# Altium PCB T1_Card.PcbDoc (part 1 of 6)
Units mil, origin at the board's own origin, x right, y up, seen from the top; angles counter-clockwise.
Board outline 3700.79 x 3582.68 mil, 6 copper layers (Layer 1, Layer 2, Layer 3, Layer 4, Layer 5, Layer 6), stack 65.8 mil thick; 365 components, 265 nets, 1177 pads, 1027 vias.
Unrouted connection lines stored in the file: 4.
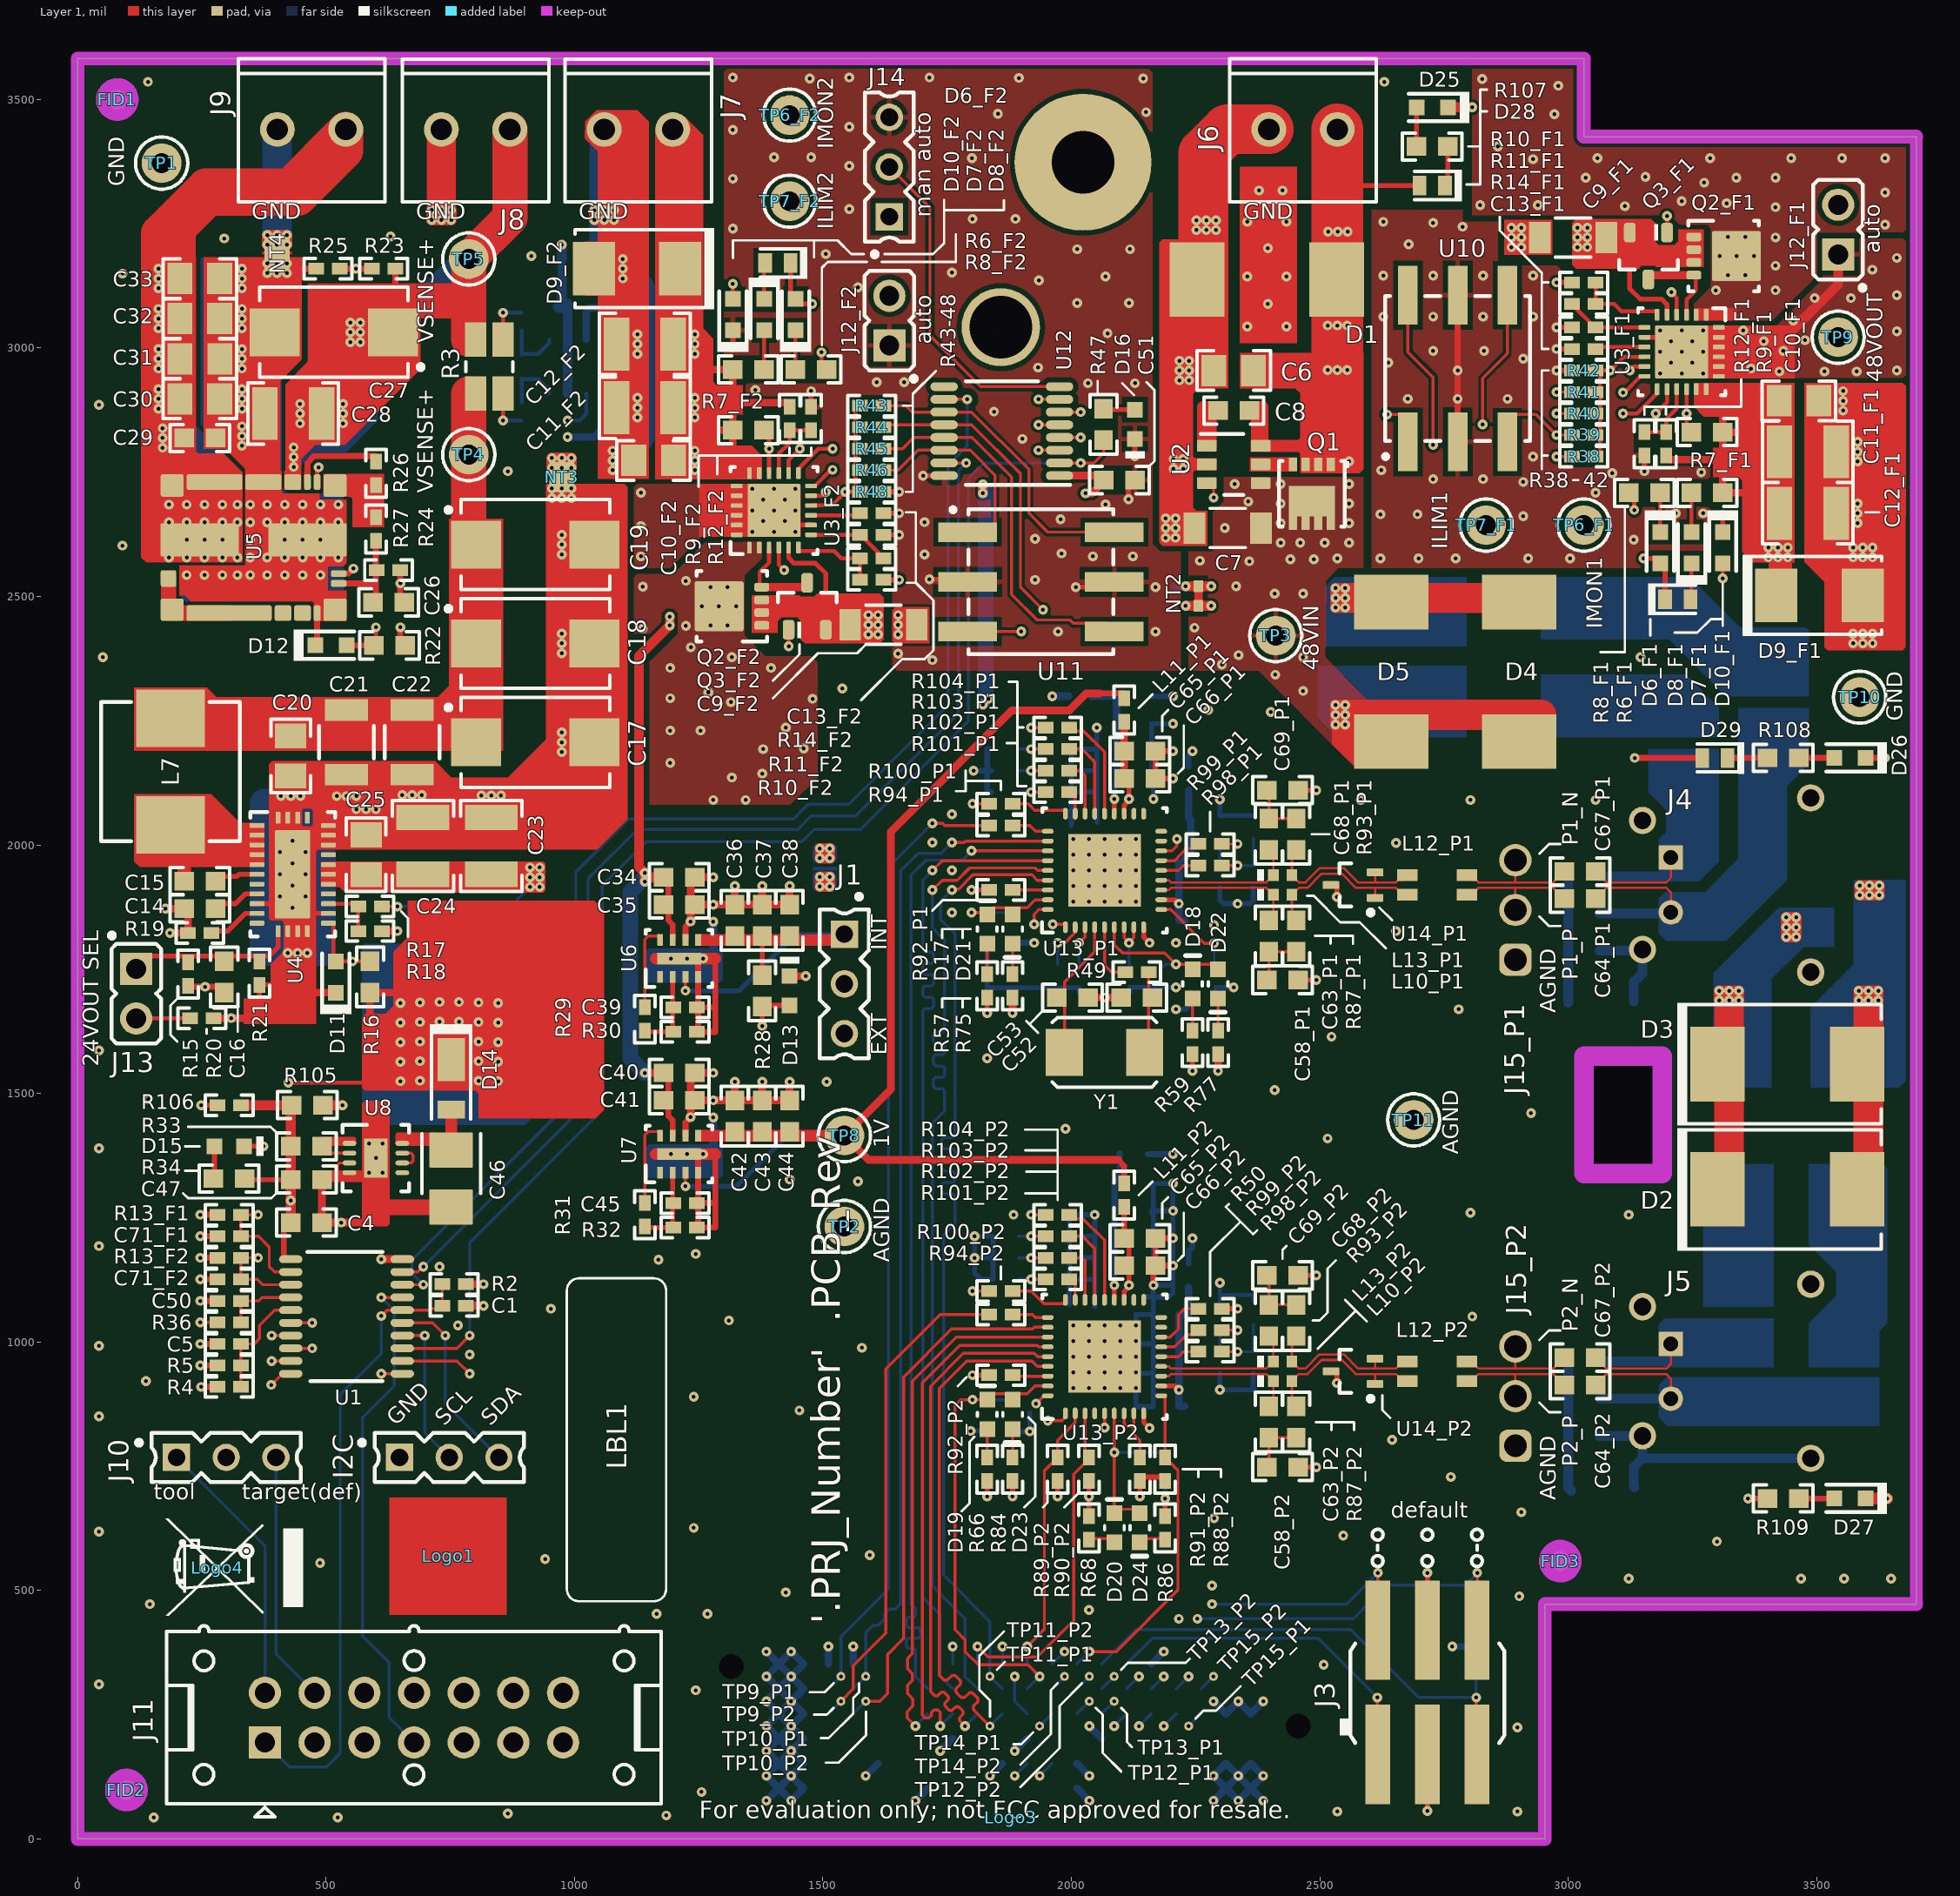
[diagram p0: Layer 1 view]
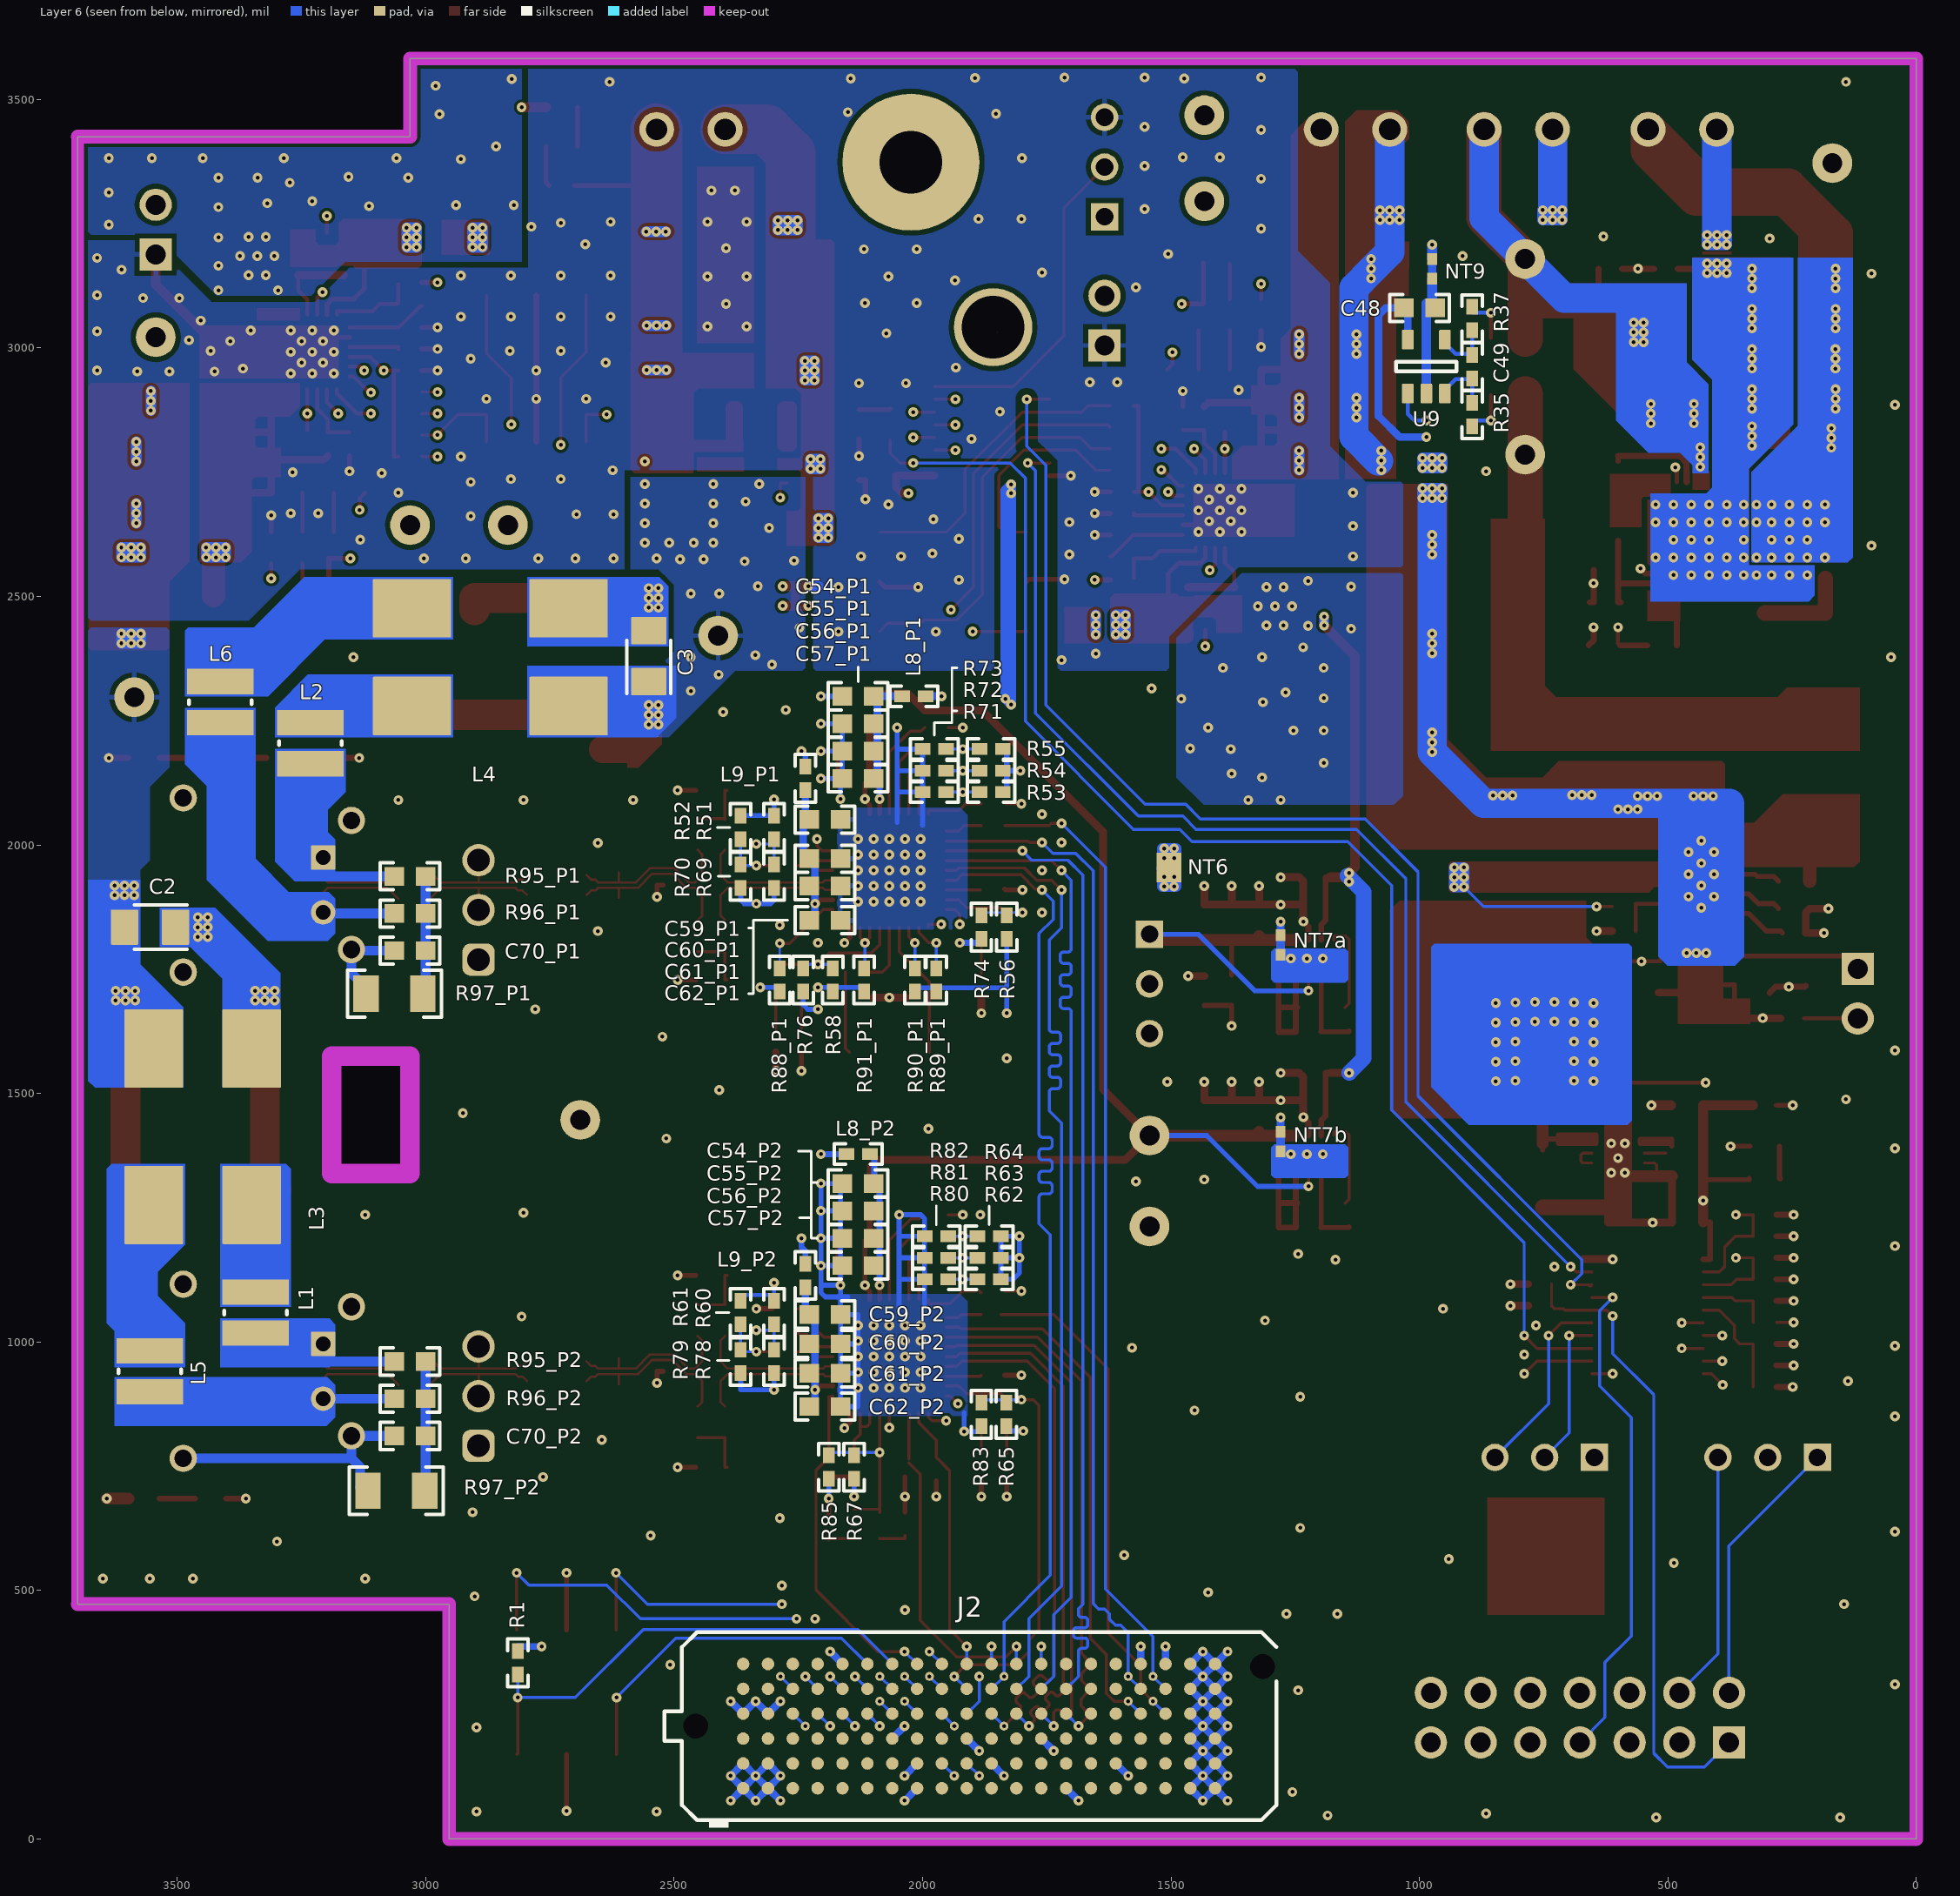
[diagram p1: Layer 6 view, seen from below]
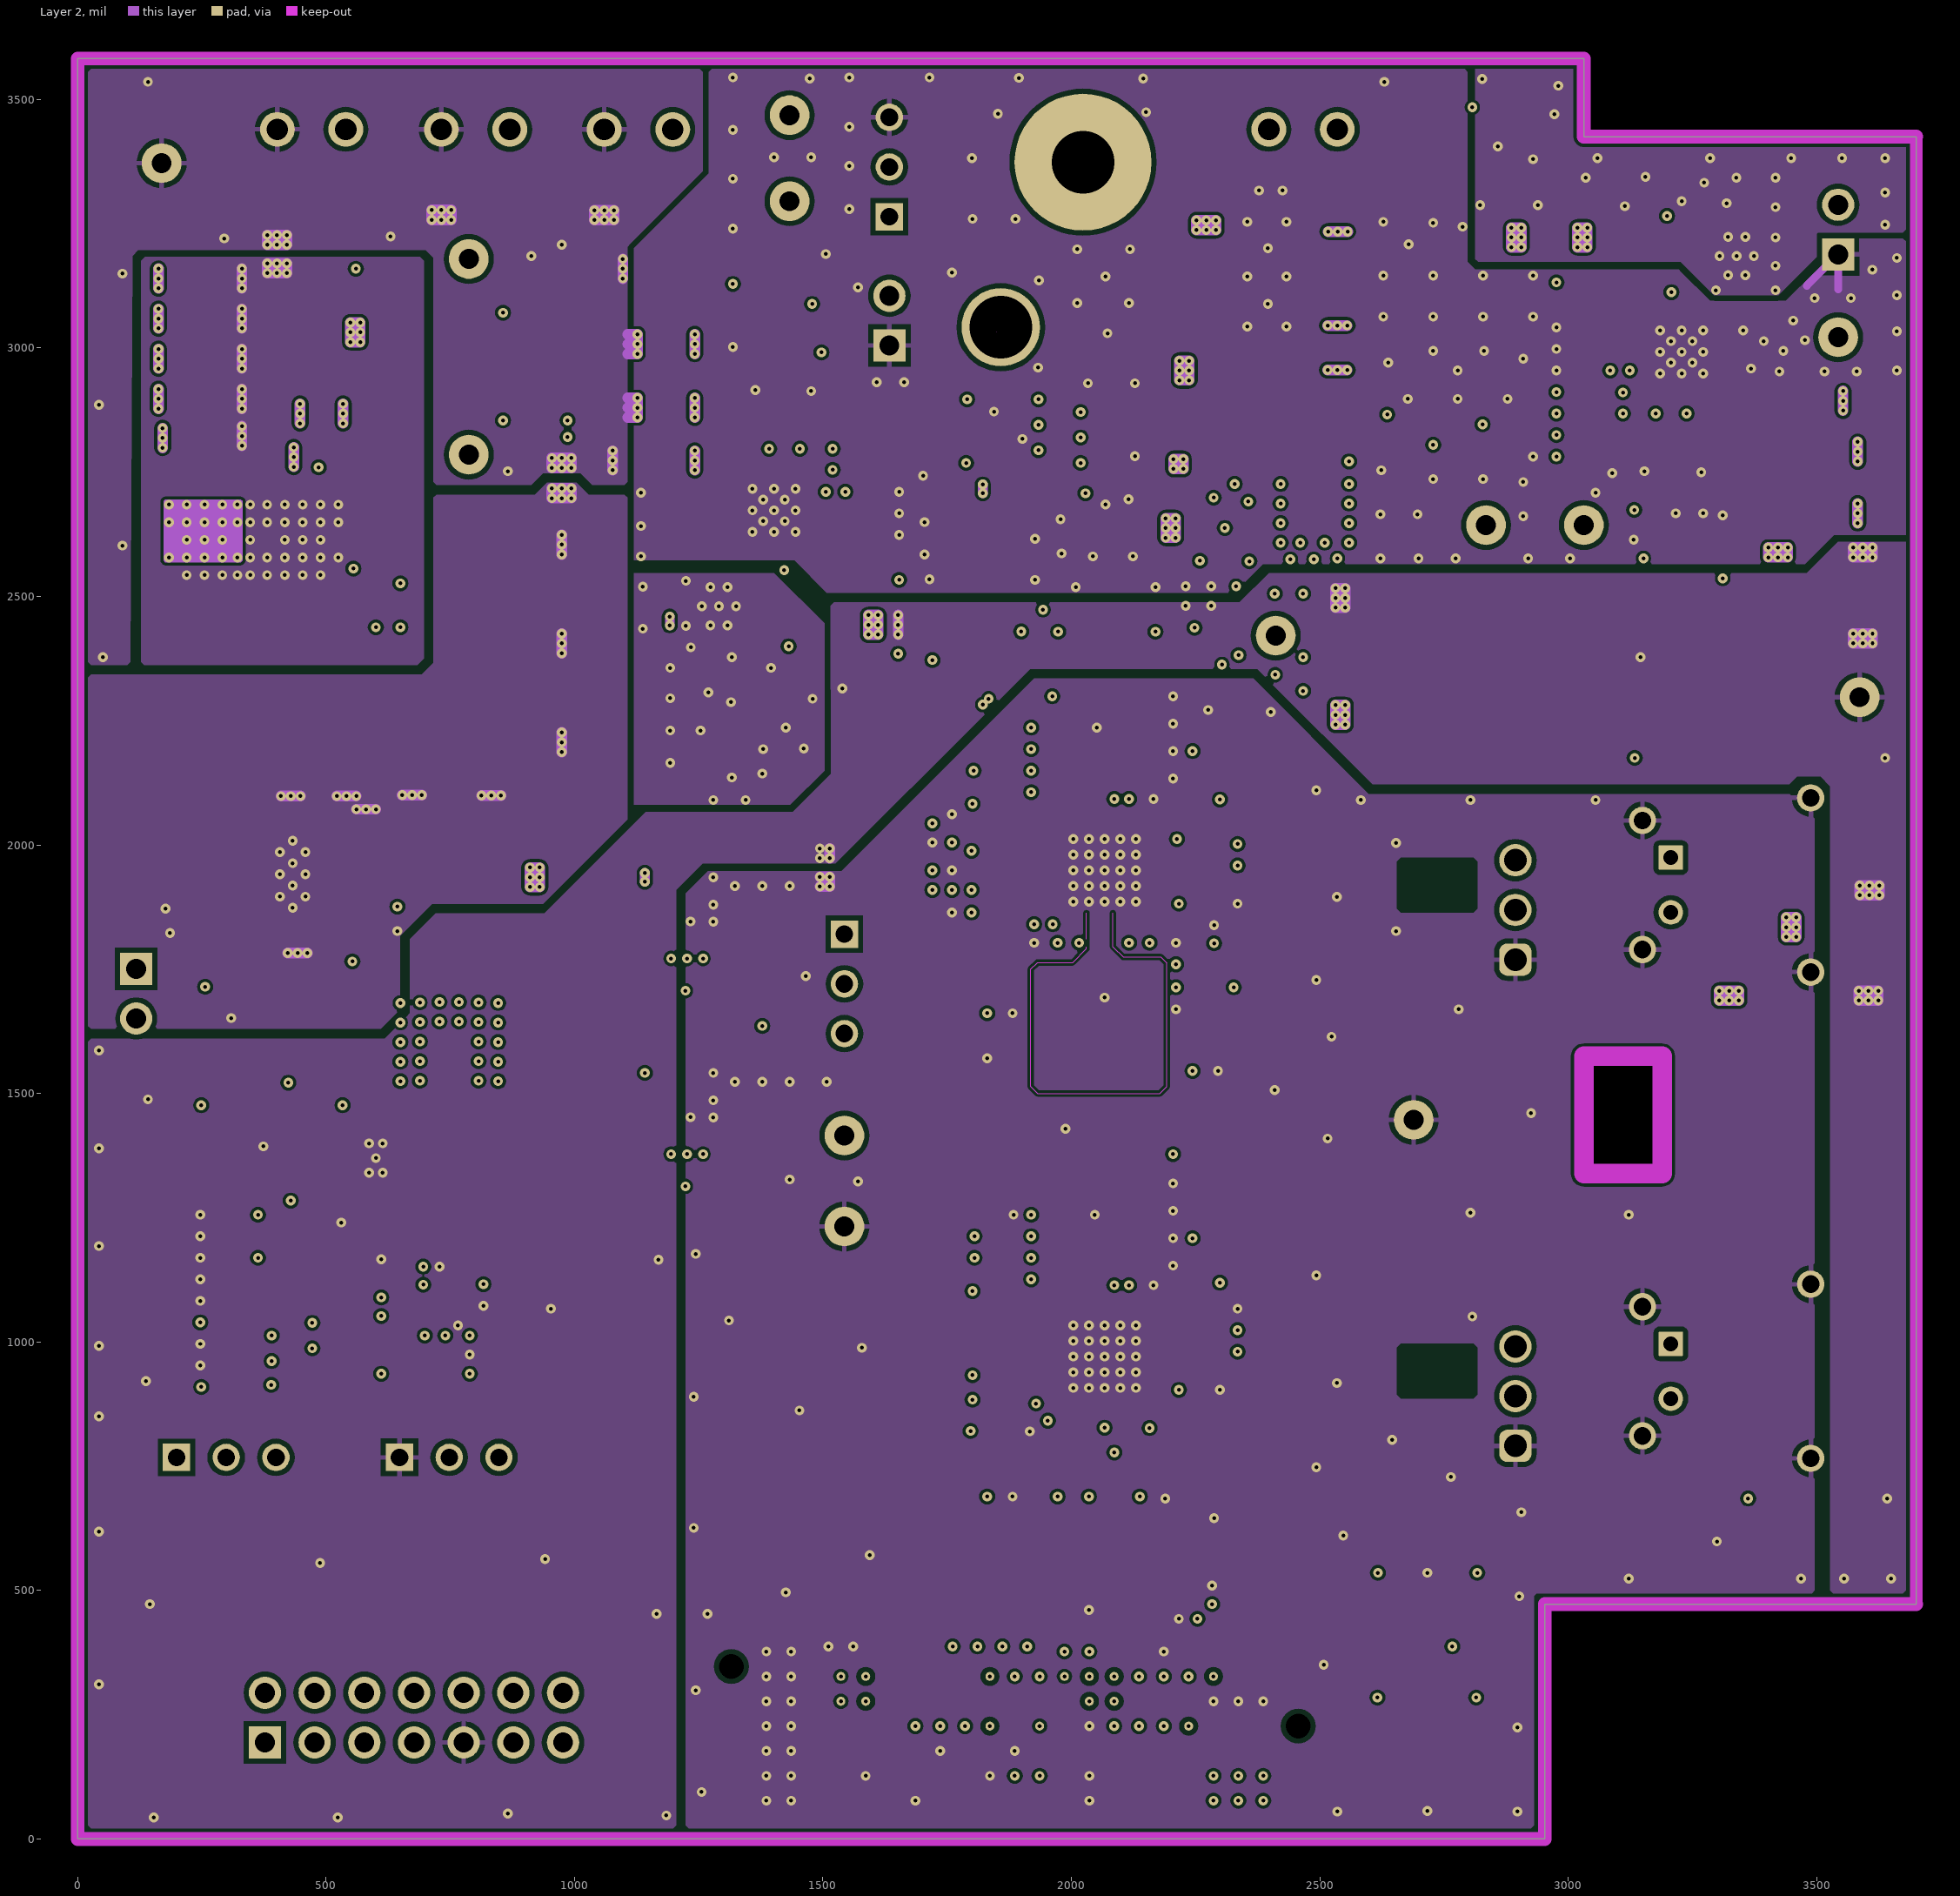
[diagram p2: Layer 2]
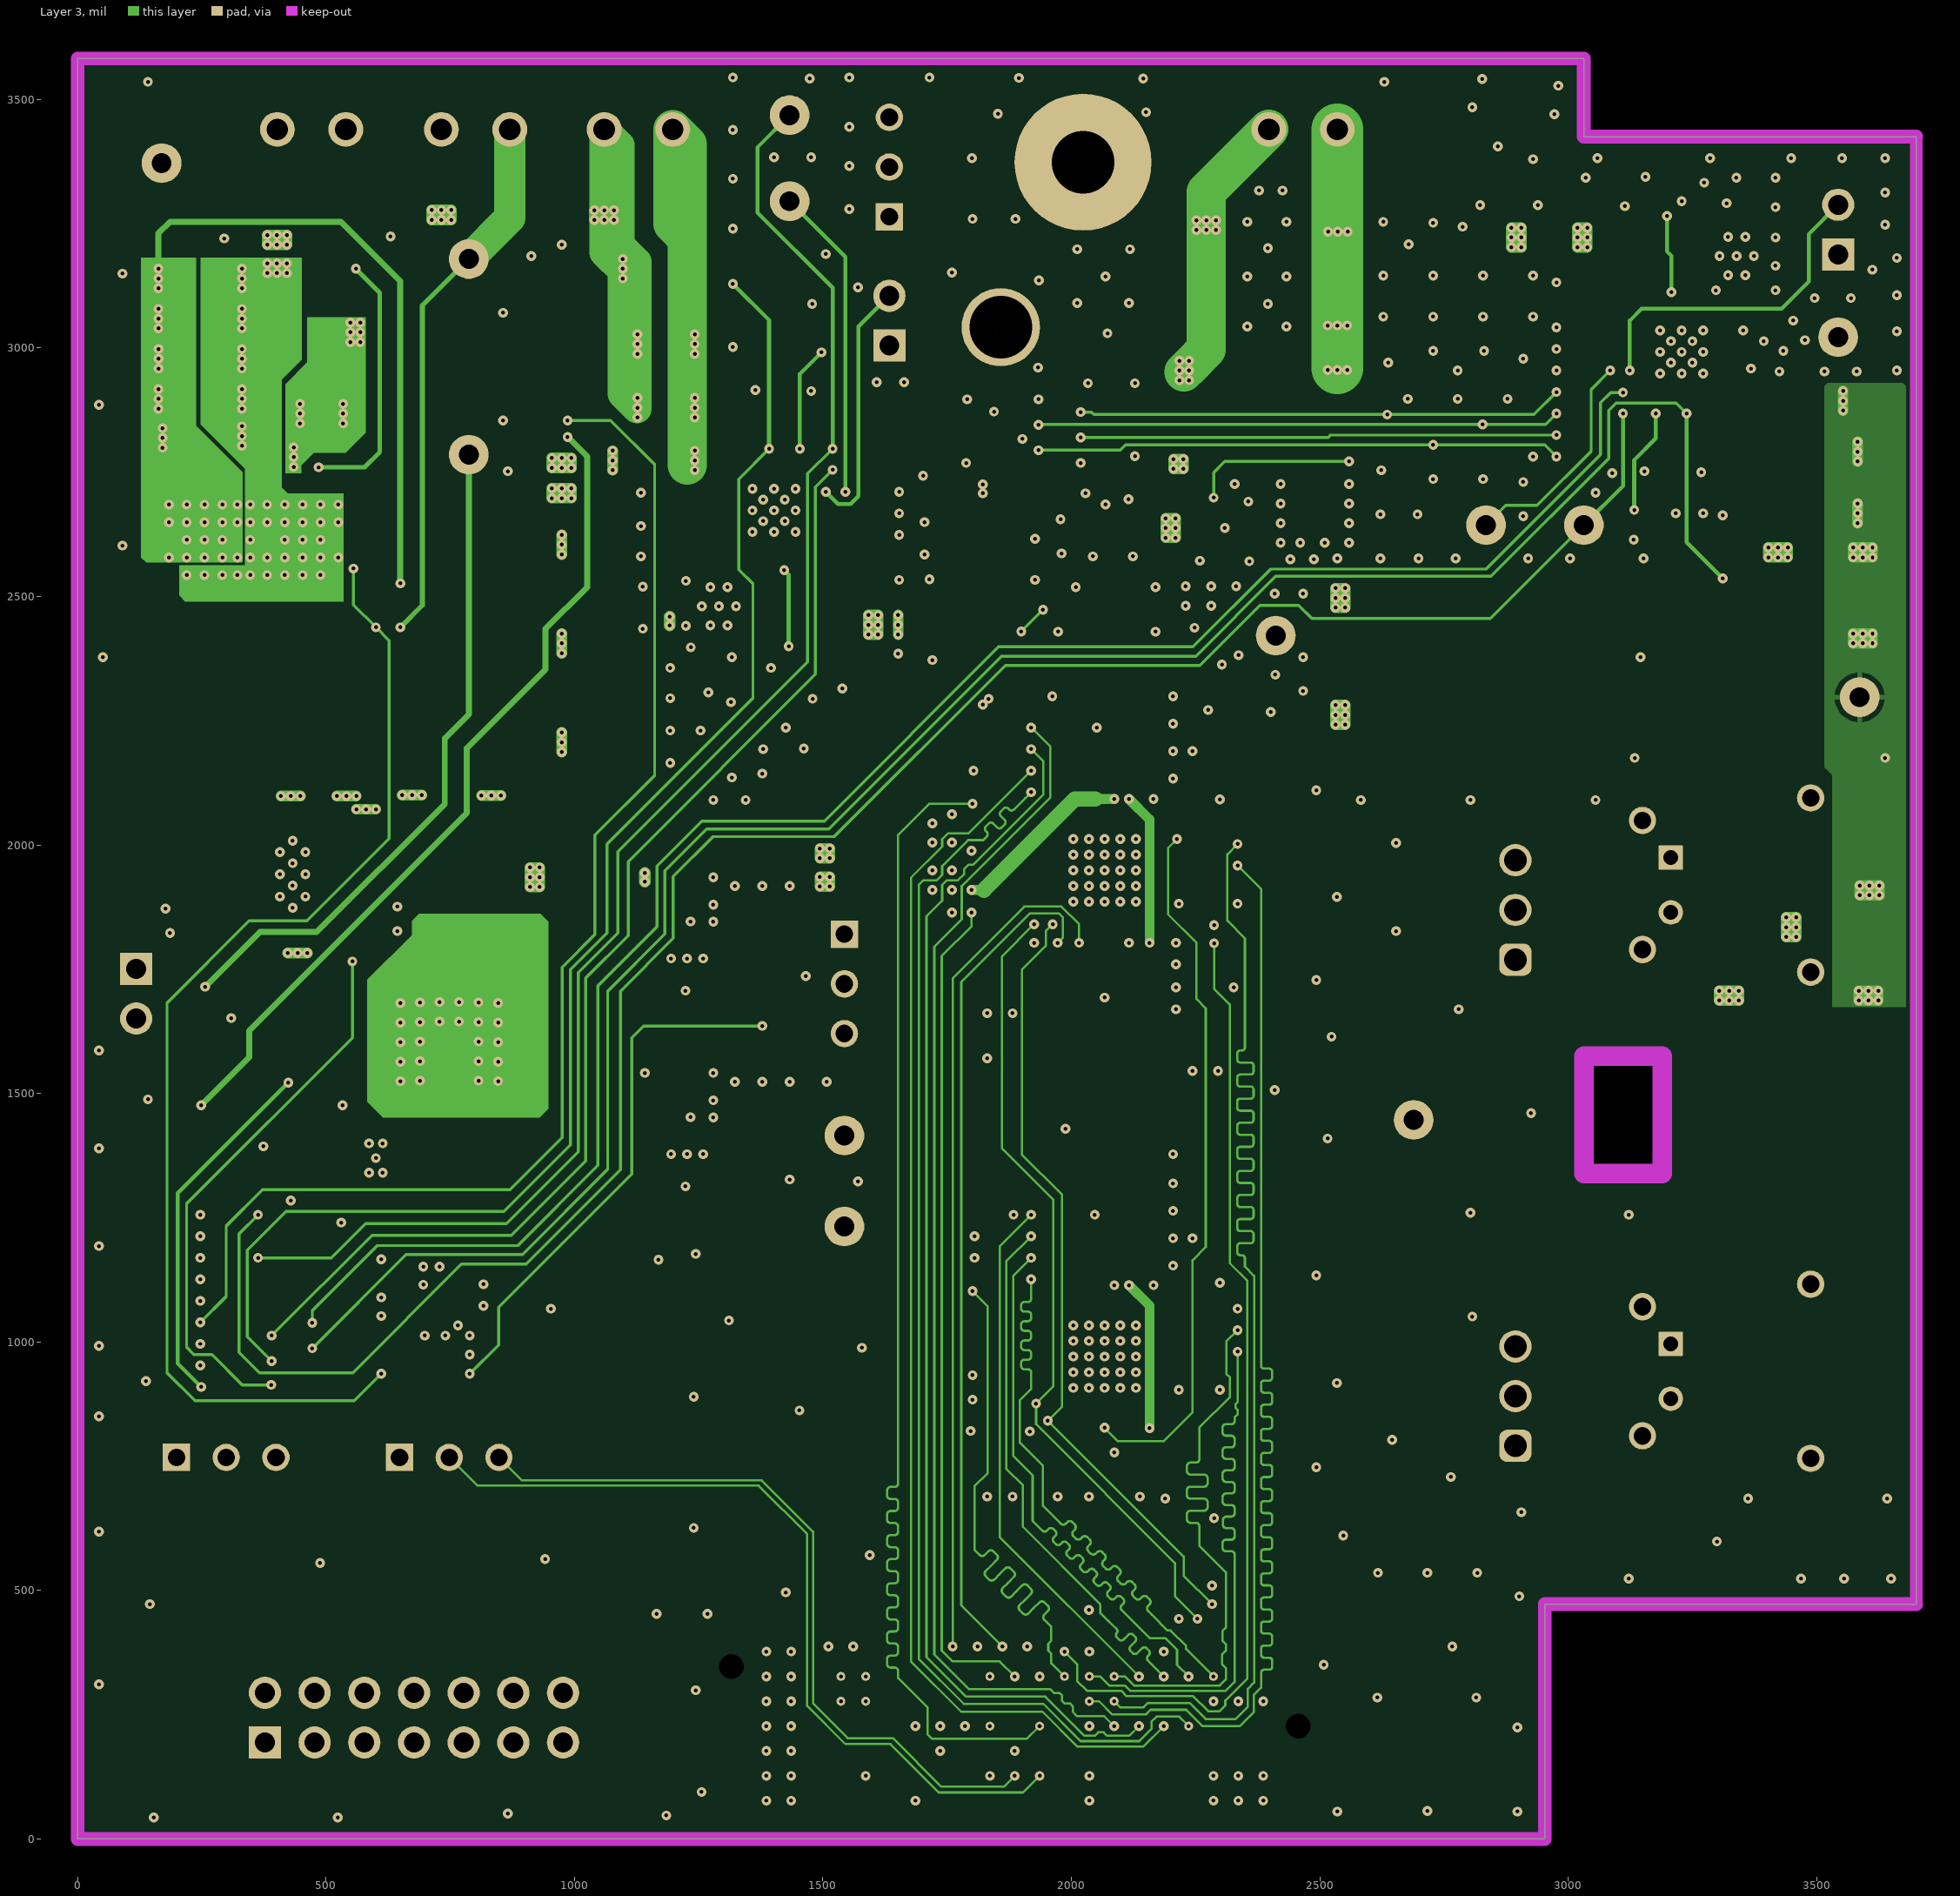
[diagram p3: Layer 3]